# Altium PCB AIM2 REVB.PcbDoc (part 1 of 4) (continued)
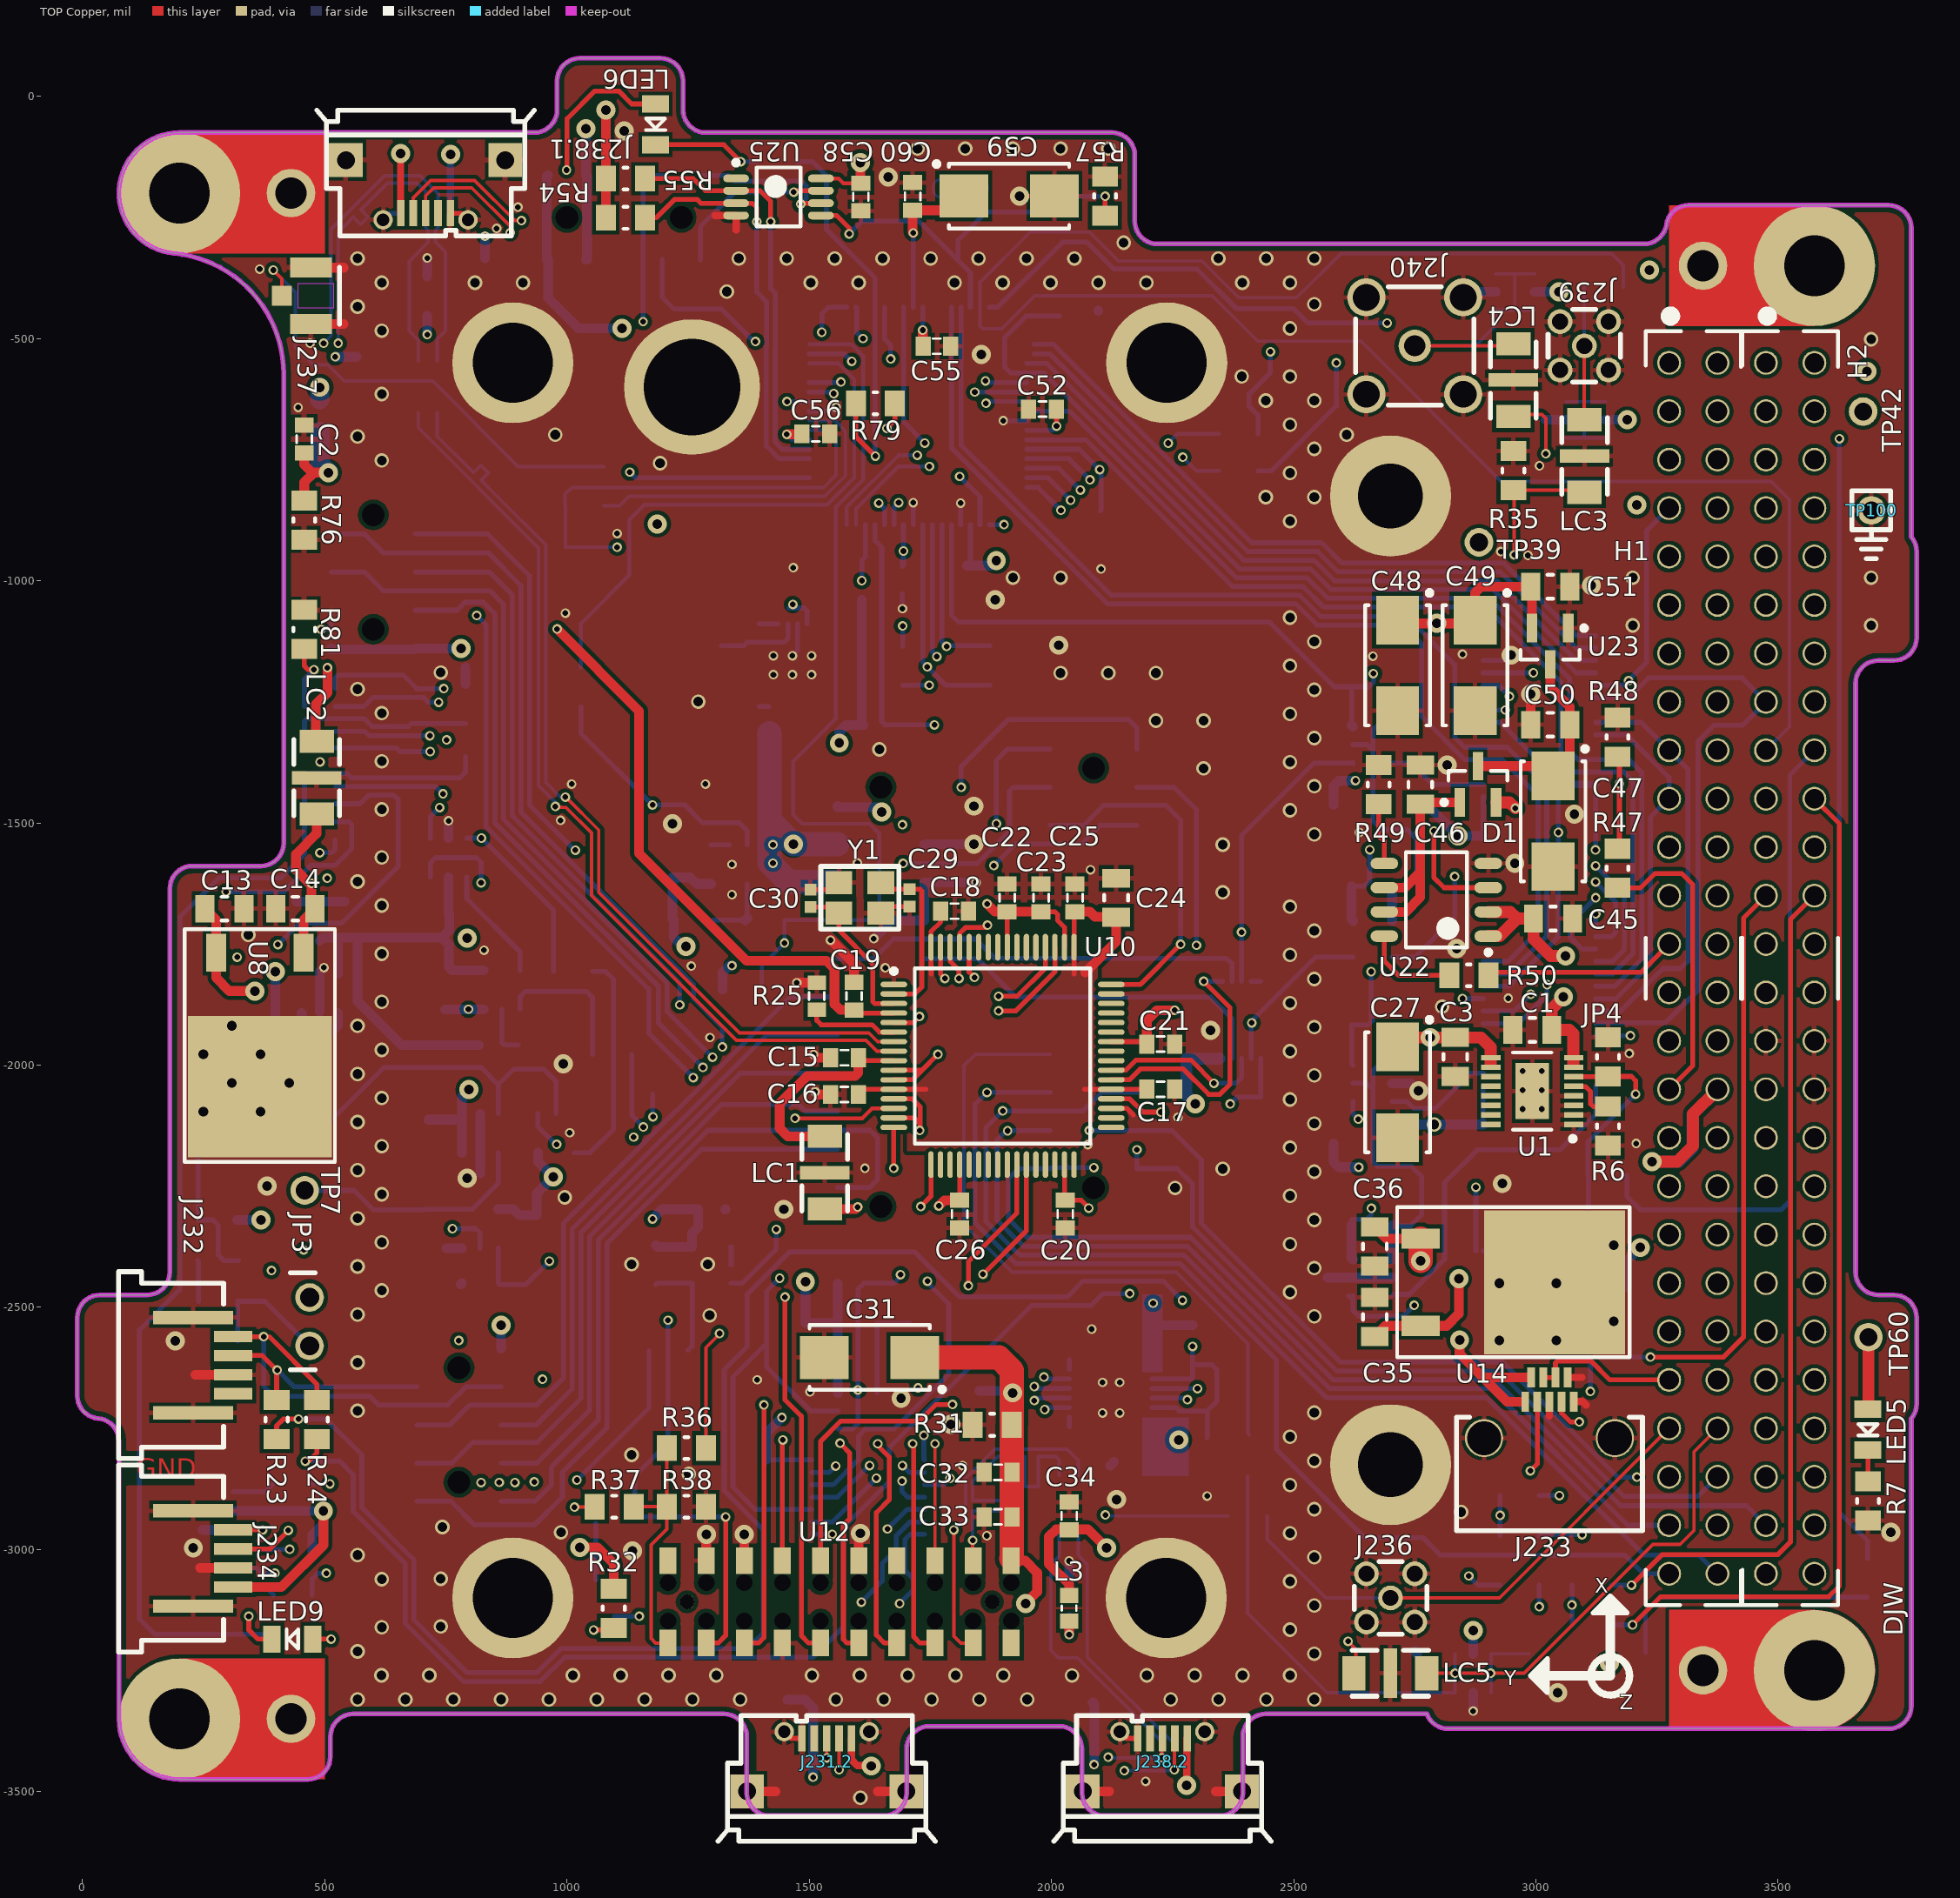
[diagram p0: TOP Copper view]
## Design rules (kind name [scope] priority, off if disabled: settings)
Clearance [InComponent('U12') vs InComponent('U12')] p1: gap=0
Clearance Polygon_Clearence [All vs OnLayer('Keep-Out Layer')] p2: gap=10
Clearance "U12 Clearance" [All] p3: gap=8
ComponentClearance "Bus Clearance" [InComponent('H1') vs InComponent('H2')] p1: gap=0 collisioncheckmode=3 verticalgap=0 showdistances=FALSE
ComponentClearance [All] p2: gap=1 collisioncheckmode=3 verticalgap=1 showdistances=FALSE
DiffPairsRouting [All] p1: maxlimit=8 minlimit=8 mostfreqgap=8 toplayer_minwidth=7 toplayer_maxwidth=7 toplayer_prefwidth=7 midlayer1_minwidth=6 midlayer1_maxwidth=6 midlayer1_prefwidth=6 midlayer2_minwidth=6 midlayer2_maxwidth=6 midlayer2_prefwidth=6 bottomlayer_minwidth=7 bottomlayer_maxwidth=7 bottomlayer_prefwidth=7 maxuncoupledlength=500
HoleSize [All] p1: absolutevalues=TRUE maxlimit=314.96 minlimit=1 maxpercent=80.000 minpercent=20.000
MatchedLengths [InDifferentialPair('ADCS_D')] p1: tolerance=10 checknetsindiffpair=TRUE checkdiffpairvsdiffpair=FALSE checkxsignals=FALSE checkothers=FALSE
MatchedLengths MatchedLengths_1 [InDifferentialPair('ADCS_USB_D')] p2: tolerance=10 checknetsindiffpair=TRUE checkdiffpairvsdiffpair=FALSE checkxsignals=FALSE checkothers=FALSE
MatchedLengths MatchedLengths_2 [InDifferentialPair('GPS_USB_D')] p3: tolerance=10 checknetsindiffpair=TRUE checkdiffpairvsdiffpair=FALSE checkxsignals=FALSE checkothers=FALSE
MatchedLengths MatchedLengths_3 [InDifferentialPair('GPS_D')] p4: tolerance=10 checknetsindiffpair=TRUE checkdiffpairvsdiffpair=FALSE checkxsignals=FALSE checkothers=FALSE
MatchedLengths "Schematic Matched Net Lengths" [InNetClass('Diff Pairs')] p5: tolerance=10 checknetsindiffpair=TRUE checkdiffpairvsdiffpair=FALSE checkxsignals=FALSE checkothers=FALSE
MaxMinImpedance "50 Ohm Impedance" [InNetClass('50 Ohm')] p1: minimum=45.00 maximum=55.00
MaxMinImpedance "USB Impedance" [InNetClass('Diff Pairs')] p2: minimum=85.00 maximum=95.00
MinimumSolderMaskSliver [All] p1: minsoldermaskwidth=2
PlaneClearance [All] p1: clearance=20
PlaneConnect "Plane Direct Connect" [(InPadClass('Power'))or isVia] p1: planeconnectstyle=Direct reliefexpansion=20 reliefentries=4 reliefconductorwidth=10 reliefairgap=10
PlaneConnect [All] p2: planeconnectstyle=Relief reliefexpansion=20 reliefentries=4 reliefconductorwidth=10 reliefairgap=10
PolygonConnect "Direct Connect" [(InPadClass('Power'))or isVia   or HasFootprint('Spark_Gap')] p1: connectstyle=Direct reliefconductorwidth=10 reliefentries=4 polygonreliefangle="90 Angle" airgapwidth=10
PolygonConnect [All] p2: connectstyle=Relief reliefconductorwidth=10 reliefentries=4 polygonreliefangle="90 Angle" airgapwidth=7.09
RoutingVias [All] p1: holewidth=7.87 width=19.68 viastyle="Through Hole" minholewidth=5 minwidth=15.75 maxholewidth=236.22 maxwidth=314.96
SilkToSilkClearance [All] p1: silktosilkclearance=0.1
SilkToSolderMaskClearance [IsPad] p1: minsilkscreentomaskgap=0.1 clearancetoexposedcopper=TRUE
SolderMaskExpansion [All] p1: expansion=0
Width USB [InNetClass('Diff Pairs')] p1: maxlimit=7 minlimit=6 preferedwidth=7 toplayer_minwidth=7 midlayer1_maxwidth=6 midlayer1_prefwidth=6 midlayer2_maxwidth=6 midlayer2_prefwidth=6 bottomlayer_minwidth=7 minimp=50.000000 maximp=50.000000 favimp=50.000000
Width "50 Ohm" [InNetClass('50 Ohm')] p2: maxlimit=7 minlimit=6 preferedwidth=7 toplayer_minwidth=7 midlayer1_maxwidth=6 midlayer1_prefwidth=6 midlayer2_maxwidth=6 midlayer2_prefwidth=6 bottomlayer_minwidth=7 minimp=50.000000 maximp=50.000000 favimp=50.000000
Width [All] p3: maxlimit=100 minlimit=8 preferedwidth=10 minimp=50.000000 maximp=50.000000 favimp=50.000000
22 further rules are at their usual default settings.

## Classes and differential pairs
net class "Diff Pairs": ADCS_D_N ADCS_D_P ADCS_USB_D_N ADCS_USB_D_P GPS_D_N GPS_D_P GPS_USB_D_N GPS_USB_D_P
net class "50 Ohm": CLK0 CLK0_OUT CLKOUT PPS PPS_1 PPS_2 PPS_ADCS PPS_CONN PPS_OUT SYNC VARF VARF_CONN VARF_OUT
component class "U_AIM2 - WDT": C61 C62 C64 C65 C66 C67 C68 C69 JP3 LED8 R64 R65 R66 R67 R68 R69 R70 R71 R72 R73 R74 R75 TP7 TP39 U27 U28 U29 U30 U31 U32
component class "U_AIM2 - SupMCU": C45 C46 C47 C48 C49 C50 C51 C52 C53 C54 C55 C56 C57 C58 C59 C60 D1 D2 J234 J235 J236 J237 LED7 R47 R48 R49 R50 R51 R52 R53 R54 R55 R56 R57 R58 R59 R60 R61 R62 R63 R83 R84 U22 U23 U24 U25 U26
component class "U_AIM2 - GPS": C31 C32 C33 C34 C35 C36 C37 C38 C39 C72 C73 J238.1 J238.2 J239 J240 L3 L4 LC3 LC4 LC5 LED9 Q2 R31 R32 R33 R34 R35 R36 R37 R38 R39 R40 R41 R42 R43 R44 R45 R46 TP42 U12 U13 U14 U15 U16 U17 U18
component class "U_AIM2 - GPS Multiplexing": C40 C41 C42 C43 C44 JP2 U19 U20 U21
component class "U_AIM2 - FTDI": C2 C13 C14 C15 C16 C17 C18 C19 C20 C21 C22 C23 C24 C25 C26 C28 C29 C30 C70 C71 J231.1 J231.2 L1 L2 LC1 LC2 LED6 R25 R26 R27 R28 R29 R30 R76 R82 U8 U9 U10 U11 Y1
component class "U_AIM2 - External Interfaces": H4 H5 H8 J232 J233 R23 R24
component class "U_AIM2 - Bus Interface": H1 H2 R17 R18 R19 R20 R21 R22 TP100
component class "U_AIM2 - ADCS": C1 C3 C4 C5 C6 C7 C27 H10 H11 JP4 LED5 Q1 R1 R2 R3 R5 R6 R7 R8 R9 R10 R11 R12 R13 R14 R15 R16 TP60 U1 U2 U3 U4
component class "U_AIM2 - ADCS Multiplexing": C8 C9 C10 C11 C12 JP1 U5 U6 U7
pad class Power: Free- Free-0 U8-2 U12-F U14-2
component class "U_AIM2 - UART LEDS": C63 LED0 LED1 LED2 LED3 R77 R78 R79 R80 R81 U33
differential pair GPS_USB_D: +GPS_USB_D_P -GPS_USB_D_N
differential pair GPS_D: +GPS_D_P -GPS_D_N
differential pair ADCS_USB_D: +ADCS_USB_D_P -ADCS_USB_D_N
differential pair ADCS_D: +ADCS_D_P -ADCS_D_N

## Components (designator, comment, footprint, x,y, rotation, side; value= is the part's Value field where it differs from the comment)
C1 "4.7uF" "0805 CAP" 2992.5,-1927 r0 top
C2 "100nF" "0603 CAP" 457.5,-707.62 r270 top
C3 "1uF" "0805 CAP" 2833.5,-1982.62 r90 top
C4 "4.7uF" "0805 CAP" 1465,-1013 r180 bottom
C5 "1uF" "0805 CAP" 1377.5,-1369.62 r0 bottom
C6 "100nF" "0603 CAP" 1217.5,-1585.62 r270 bottom
C7 "100nF" "0603 CAP" 2278.5,-1957.62 r270 bottom
C8 "100nF" "0603 CAP" 2619.5,-1601.62 r270 bottom
C9 "100nF" "0603 CAP" 2705.5,-1601.62 r270 bottom
C10 "100nF" "0603 CAP" 2619.5,-1190.27 r270 bottom
C11 "100nF" "0603 CAP" 2705.5,-1190.27 r270 bottom
C12 "100nF" "0603 CAP" 2918.5,-1526.62 r180 bottom
C13 "1uF" "0805 CAP" 293,-1677 r180 top
C14 "1uF" "0805 CAP" 439,-1677 r0 top
C15 "100nF" "0603 CAP" 1572.5,-1984.62 r0 top
C16 "100nF" "0603 CAP" 1572.5,-2060.62 r0 top
C17 "100nF" "0603 CAP" 2225.5,-2049.62 r180 top
C18 "100nF" "0603 CAP" 1800,-1682 r180 top
C19 "100nF" "0603 CAP" 1592.5,-1857.62 r270 top
C20 "100nF" "0603 CAP" 2028.5,-2307.62 r90 top
C21 "100nF" "0603 CAP" 2225.5,-1956.62 r180 top
C22 "100nF" "0603 CAP" 1908.5,-1654.62 r270 top
C23 "100nF" "0603 CAP" 1978.5,-1654.62 r270 top
C24 "4.7uF" "0805 CAP" 2133.5,-1654.62 r270 top
C25 "100nF" "0603 CAP" 2048.5,-1654.62 r270 top
C26 "100nF" "0603 CAP" 1810.5,-2307.62 r90 top
C27 "10uF" "6032 POLAR CAP" 2714.5,-2056.08 r270 top
C28 "100nF" "0603 CAP" 1530.08,-2606.62 r0 bottom
C29 "27pF" "0402 CAP" 1707,-1654.89 r90 top
C30 "27pF" "0402 CAP" 1502.5,-1655.51 r270 top
C31 "10uF" "6032 POLAR CAP" 1624.5,-2603.62 r180 top
C32 "100nF" "0603 CAP" 1889.5,-2840.62 r0 top
C33 "850pF" "0603 CAP" 1889.5,-2932.62 r0 top
C34 "100nF" "0603 CAP" 2036.5,-2930.62 r270 top
C35 "1uF" "0805 CAP" 2667.5,-2519.62 r270 top
C36 "1uF" "0805 CAP" 2667.5,-2374.62 r90 top
C37 "4.7uF" "0805 CAP" 2169.5,-2819.12 r0 bottom
C38 "4.7uF" "0805 CAP" 2169.5,-2536.52 r0 bottom
C39 "4.7uF" "0805 CAP" 1850.5,-2712.62 r90 bottom
C40 "100nF" "0603 CAP" 2619.5,-2289.62 r270 bottom
C41 "100nF" "0603 CAP" 2705.5,-2289.62 r270 bottom
C42 "100nF" "0603 CAP" 2619.5,-1888.62 r270 bottom
C43 "100nF" "0603 CAP" 2705.5,-1888.62 r270 bottom
C44 "100nF" "0603 CAP" 2919.5,-2122.62 r180 bottom
C45 "1uF" "0805 CAP" 3035.5,-1697.62 r180 top
C46 "1uF" "0805 CAP" 2761.5,-1420.62 r270 top
C47 "10uF" "6032 POLAR CAP" 3035.5,-1496.62 r270 top
C48 "10uF" "6032 POLAR CAP" 2714.5,-1174.62 r270 top
C49 "10uF" "6032 POLAR CAP" 2874.5,-1174.62 r270 top
C50 "1uF" "0805 CAP" 3029.5,-1297.22 r0 top
C51 "1uF" "0805 CAP" 3029.5,-1012.22 r180 top
C52 "100nF" "0603 CAP" 1981.5,-645.62 r0 top
C53 "100nF" "0603 CAP" 1835.5,-998.62 r90 bottom
C54 "100nF" "0603 CAP" 1692.5,-998.62 r90 bottom
C55 "100nF" "0603 CAP" 1763.5,-515.62 r180 top
C56 "100nF" "0603 CAP" 1513.5,-696.62 r180 top
C57 "100nF" "0603 CAP" 1298.5,-2297.62 r180 bottom
C58 "100nF" "0603 CAP" 1606.5,-207.62 r90 top
C59 "10uF" "6032 POLAR CAP" 1912.5,-205.62 r0 top
C60 "100nF" "0603 CAP" 1713.5,-206.62 r270 top
C61 "100nF" "0603 CAP" 937.5,-2337.62 r90 bottom
C62 "100nF" "0603 CAP" 702.5,-2141.62 r90 bottom
C63 "100nF" "0603 CAP" 1411.5,-2842.62 r90 bottom
C64 "10nF" "0805 CAP" 278.5,-2235.62 r180 bottom
C65 "100nF" "0603 CAP" 725.5,-1798.62 r0 bottom
C66 "100nF" "0603 CAP" 724.5,-1883.62 r0 bottom
C67 "1uF" "0805 CAP" 489.5,-2023.62 r270 bottom
C68 "2.2uF" "0805 CAP" 489.5,-1702.62 r270 bottom
C69 "100nF" "0603 CAP" 725.5,-1687.62 r0 bottom
C70 "100nF" "0603 CAP" 565.5,-508.62 r270 bottom
C71 "100nF" "0603 CAP" 1426.42,-3310 r0 bottom
C72 "100nF" "0603 CAP" 859.5,-334.62 r180 bottom
C73 "100nF" "0603 CAP" 2061,-3316 r0 bottom
D1 "BAT54C" SOT23-3 2880.5,-1420.02 r90 top
D2 "UDZS3.3B" TSOP190P250X90-2N 996.5,-973.62 r270 bottom
H1 "CurrentFootprint" ESQ-126-37-G-D 3325,-1800 r270 top locked
H2 "CurrentFootprint" ESQ-126-37-G-D 3525,-1800 r270 top locked
H4 "TMM-105-06-L-D-SM-A" TMM-105-06-G-D-SM 777,-2743 r270 bottom locked
H5 "TMM-105-06-L-D-SM-A" TMM-105-06-G-D-SM 600,-982 r90 bottom locked
H8 "TMM-105-06-L-D-SM-A" TMM-105-06-G-D-SM 1118,-250 r0 bottom locked
H10 "TW-13-06-L-D-390-SM-A" TW-13-06-X-D-390-SM-A 1648,-1740.89 r270 bottom locked
H11 "TW-13-06-L-D-390-SM-A" TW-13-06-X-D-390-SM-A 2087,-1701.89 r270 bottom locked
J231.1 "ZX62RD-AB-5P8" SM$5C$ZX62RD-AB-5P8 708,-268.56 r0 bottom
J231.2 "ZX62RD-AB-5P8" SM$5C$ZX62RD-AB-5P8 1536,-3362.44 r0 top
J232 "SFW4R-2STE1LF" SFW4R-2STE1LF 310.68,-2619.43 r270 top
J233 "A29100-009" A29100-009 3028,-2770 r0 top locked
J234 "SFW4R-2STE1LF" SFW4R-2STE1LF 310.68,-3018.57 r270 top
J235 "SFW6R-1STE1LF" SFW6R-1STE1LF 310.68,-2979.2 r270 top
J236 "MMCX" mmcx 2700,-3100 r180 top locked
J237 "UFL Connector" "UFL Connector" 471.5,-411.62 r270 top
J238.1 "ZX62RD-AB-5P8" SM$5C$ZX62RD-AB-5P8 708,-268.56 r180 top locked
J238.2 "ZX62RD-AB-5P8" SM$5C$ZX62RD-AB-5P8 2229,-3362.44 r0 top
J239 "MMCX" mmcx 3100,-515 r180 top
J240 "MCX" MCX 2750,-515 r180 top locked
JP1 "Jumper" "0805 RES 2 way jumper - 1" 2623.5,-1463.09 r0 bottom
JP2 "Jumper" "0805 RES 2 way jumper - 1" 2623.5,-2161.62 r0 bottom
JP3 "TSW-102-22-L-S-RA" TSW-102-22-L-S-RA 468.5,-2479.62 r270 top
JP4 "Jumper" "0805 RES 1 way jumper" 3149,-1983 r270 top
L1 "300ohm @ 100MHz" "0603 IND" 490.5,-665.62 r90 bottom
L2 "90ohm @100MHz" DFN250P320X200-4N 712.5,-599.62 r270 bottom
L3 "300ohm @ 100MHz" "0603 IND" 2036.5,-3121.2 r270 top
L4 "90ohm @100MHz" DFN250P320X200-4N 2035.5,-2899.62 r90 bottom
LC1 "ELK-E220FA" ELK 1532,-2222 r90 top
LC2 "ELK-E220FA" ELK 483.32,-1406.62 r90 top
LC3 "ELK-E220FA" ELK 3100.5,-742.49 r90 top
LC4 "ELK-E220FA" ELK 2953.5,-585.62 r90 top
LC5 "ELK-E220FA" ELK 2699.5,-3255.62 r0 top
LED0 "LED-RG" "LED SMT RG" 489.5,-1240.62 r0 bottom
LED1 "LED-RG" "LED SMT RG" 489.5,-1329.62 r0 bottom
LED2 "LED-RG" "LED SMT RG" 489.5,-1441.62 r0 bottom
LED3 "LED-RG" "LED SMT RG" 489.5,-1516.62 r0 bottom
LED5 "LED-G-0805" "0805 LED-GREEN" 3685.5,-2752.75 r90 top
LED6 "LED-G-0805" "0805 LED-GREEN" 1182.5,-57.62 r90 top
LED7 "LED-O-0805" "0805 LED-ORANGE" 3226.5,-3255.62 r90 bottom
LED8 "LED-R-0805" "0805 LED-RED" 279.5,-2403.62 r180 bottom
LED9 "LED-G-0805" "0805 LED-GREEN" 433,-3185 r0 top
Q1 "MMBT2222" SOT23-3 3070.91,-2343.22 r0 bottom
Q2 "MMBT2222" SOT23-3 1097.5,-3100.62 r270 bottom
R1 "100K" "0805 RES" 3148.5,-2458.62 r0 bottom
R2 "100K" "0805 RES" 1377.5,-1452.62 r0 bottom
R3 "4.7K" "0805 RES" 3147.5,-2227.62 r180 bottom
R5 "4.7K" "0805 RES" 2916.5,-2383.62 r0 bottom
R6 "200R" "0805 RES" 3149,-2126 r90 top
R7 "510R" "0805 RES" 3685.5,-2899.62 r90 top
R8 "100K" "0805 RES" 1465,-933 r180 bottom
R9 "200R" "0805 RES" 1319,-1174.57 r90 bottom
R10 "100K" "0805 RES" 2916.5,-2302.62 r180 bottom
R11 "100K" "0805 RES" 1260.5,-1700.62 r180 bottom
R12 "0R" "0805 RES" 1408.5,-1700.62 r0 bottom
R13 "100K" "0805 RES" 2431.5,-2106.62 r90 bottom
R14 "0R" "0805 RES" 2403.5,-2808.62 r90 bottom
R15 "100R" "0805 RES" 2986.5,-3255.62 r90 bottom
R16 "100R" "0805 RES" 2754.5,-3255.62 r270 bottom
R17 "0R" "0805 RES - DNP" 2966.5,-3073.62 r0 bottom
R18 "0R" "0805 RES - DNP" 3115.5,-3073.62 r180 bottom
R19 "0R" "0805 RES - DNP" 3148.86,-2602.62 r180 bottom
R20 "0R" "0805 RES - DNP" 2966.5,-2970.62 r180 bottom
R21 "0R" "0805 RES - DNP" 2966.5,-2888.62 r180 bottom
R22 "0R" "0805 RES - DNP" 3115.5,-3155.62 r180 bottom
R23 "0R" "0805 RES" 400.5,-2731.62 r270 top
R24 "0R" "0805 RES" 483.5,-2731.62 r90 top
R25 "12K" "0603 RES" 1515.5,-1857.62 r270 top
R26 "10K" "0805 RES" 1452.15,-2532.62 r0 bottom
R27 "10K" "0805 RES" 1599.5,-2450.62 r180 bottom
R28 "10K" "0805 RES" 1599.5,-2532.62 r0 bottom
R29 "2.2K" "0805 RES" 1747.5,-2532.62 r0 bottom
R30 "220R" "0805 RES" 1432.5,-134.62 r180 bottom
R31 "4.7K" "0805 RES" 1877.5,-2742.62 r0 top
R32 "220R" "0805 RES" 1096.5,-3121.2 r90 top
R33 "4.7K" "0805 RES" 1099.5,-2933.62 r180 bottom
R34 "0R" "0805 RES" 3140.5,-393.62 r0 bottom
R35 "100K" "0805 RES" 2953.5,-772.62 r270 top
R36 "0R" "0805 RES" 1246.5,-2790.62 r0 top
R37 "0R" "0805 RES" 1097.5,-2911.62 r180 top
R38 "100K" "0805 RES" 1246.5,-2911.62 r180 top
R39 "470K" "0805 RES" 1652.5,-1297.62 r180 bottom
R40 "470K" "0805 RES" 1652.5,-1215.62 r180 bottom
R41 "470K" "0805 RES" 1608.5,-998.62 r270 bottom
R42 "470K" "0805 RES" 1652.5,-1134.62 r180 bottom
R43 "200K" "0805 RES" 2291.5,-2577.62 r90 bottom
R44 "200K" "0805 RES" 2321.5,-2809.62 r90 bottom
R45 "680R" "0805 RES" 1912.96,-1134.22 r180 bottom
R46 "680R" "0805 RES" 1913.5,-1215.62 r180 bottom
R47 "0R" "0805 RES" 3168.5,-1593.62 r90 top
R48 "100K" "0805 RES" 3168.5,-1322.62 r270 top
R49 "6.04K" "0805 RES" 2675.5,-1420.62 r270 top
R50 "100R" "0805 RES" 2861.5,-1814.62 r180 top
R51 "130R" "0805 RES" 2404.5,-2930.62 r180 bottom
R52 "1K" "0805 RES - DNP" 995.96,-804.57 r270 bottom
R53 "1K" "0805 RES" 1075.5,-804.62 r270 bottom
R54 "1.5K" "0805 RES" 1120.5,-250.62 r180 top
R55 "1.5K" "0805 RES" 1120.5,-169.62 r180 top
R56 "220R" "0805 RES" 3684.5,-3058.62 r270 bottom
R57 "100K" "0805 RES" 2110.5,-205.62 r90 top
R58 "4.7K" "0805 RES" 433.5,-2864.62 r0 bottom
R59 "100K" "0805 RES" 2102.5,-895.62 r90 bottom
R60 "100K" "0805 RES" 2056.5,-453.62 r180 bottom
R61 "100K" "0805 RES" 1183.5,-2412.62 r90 bottom
R62 "0R" "0805 RES" 1209.5,-2588.62 r180 bottom
R63 "0R" "0805 RES" 1028.5,-1220.15 r270 bottom
R64 "100K" "0805 RES" 278.5,-2319.62 r180 bottom
R65 "220R" "0805 RES" 279.5,-2487.62 r0 bottom
R66 "10K" "0805 RES" 279.5,-2569.62 r0 bottom
R67 "10K" "0805 RES" 820.5,-2452.62 r0 bottom
R68 "150R" "0805 RES" 1136.5,-2059.62 r0 bottom
R69 "100K" "0805 RES" 704.5,-2338.62 r90 bottom
R70 "10K" "0805 RES" 858.5,-1958.62 r180 bottom
R71 "150R" "0805 RES" 1092.5,-1977.62 r0 bottom
R72 "100K" "0805 RES" 1012.5,-1896.62 r180 bottom
R73 "100K" "0805 RES" 433.5,-3004.62 r0 bottom
R74 "100K" "0805 RES" 1012.5,-1806.62 r180 bottom
R75 "4.7K" "0805 RES" 433.5,-3093.62 r180 bottom
R76 "1K" "0805 RES" 457.5,-874.62 r90 top
R77 "220R" "0805 RES" 433.5,-3174.62 r0 bottom
R78 "220R" "0805 RES" 790.5,-1403.62 r270 bottom
R79 "10K" "0805 RES" 1636.5,-633.62 r0 top
R80 "220R" "0805 RES" 790.5,-1253.98 r90 bottom
R81 "220R" "0805 RES" 457.5,-1100.62 r90 top
R82 "100K" "0805 RES" 1361.5,-1843.62 r180 bottom
R83 "0R" "0805 RES - DNP" 2386,-773 r0 bottom
R84 "0R" "0805 RES - DNP" 2386,-696.32 r0 bottom
TP7 "Testpoint" Testpoint 458.5,-2258.62 r270 top
TP39 "Testpoint" Testpoint 2882.5,-920.62 r270 top
TP42 "Testpoint" Testpoint 3675.5,-650.62 r270 top
TP60 "Testpoint" Testpoint 3686.5,-2561.62 r270 top
TP100 "GND Testpoint" "GND Testpoint" 3692.5,-854.62 r0 top
U1 "LTC4415EMSE#PBF" MSOP-16 2992.5,-2053.62 r180 top
U2 "LTC4415EMSE#PBF" MSOP-16 1465.84,-1174.57 r270 bottom
U3 "MAX4525LEUB+" MSOP-10 2392.5,-1906.62 r270 bottom
U4 "TPS3838K33" SOT23-5 1334.5,-1585.62 r270 bottom
U5 "ADG707BRUZ" 28-TSSOP 3007.5,-1279.62 r0 bottom
U6 "SN74LVC1T45DBVR" SOT23-6 2662.86,-1739.62 r180 bottom
U7 "SN74LVC1T45DBVR" SOT23-6 2662.5,-1339.27 r180 bottom
U8 "LP38690DTX-3.3" DPAK 365.84,-1984.54 r180 top
U9 "SRV05-4L-TP" SOT23-6 711.5,-412.62 r270 bottom
U10 "FT4232HL" TSQFP50P1200X1200X120_HS-65N 1898.98,-1981.03 r0 top
U11 "93LC56BT-I/OT" SOT23-6 1599.86,-2714.02 r180 bottom
U12 "OEM719" OEM719 1639.17,-3095.1 r180 top locked
U13 "SRV05-4L-TP" SOT23-6 2036.5,-3099.62 r270 bottom
U14 "LP38690DTX-3.3" DPAK 2978.54,-2448.16 r270 top
U15 "SRV05-4L-TP" SOT23-6 3103.5,-667.62 r0 bottom
U16 "SRV05-4L-TP" SOT23-6 2957.5,-403.62 r0 bottom
U17 "LTC4415EMSE#PBF" MSOP-16 2122.5,-2677.62 r180 bottom
U18 "SRV05-4L-TP" SOT23-6 2870.5,-3255.62 r90 bottom
U19 "ADG707BRUZ" 28-TSSOP 3007.5,-1875.62 r0 bottom
U20 "SN74LVC1T45DBVR" SOT23-6 2662.86,-2438.62 r180 bottom
U21 "SN74LVC1T45DBVR" SOT23-6 2662.86,-2037.62 r180 bottom
U22 "MAX890" SOIC127P600X175-8N 2794.5,-1658.62 r180 top
U23 "MCP1700T3302" SOT23-3 3029.5,-1135.22 r270 top
U24 "PIC24EP256MC206" TSQFP50P1200X1200X120_HS-65N 1724.5,-659.62 r180 bottom
U25 "PCA9515DP" TSOP65P490X110-8N 1436.5,-207.62 r0 top
U26 "TPS3838K33" SOT23-5 1298.5,-2412.62 r180 bottom
U27 "SN74LVC1G32DBVR" SOT23-5 977.5,-2140.62 r270 bottom
U28 "TPS3813" SOT23-6 820.5,-2140.62 r90 bottom
U29 "SN74LVC1G08DBVR" SOT23-5 820.5,-2337.62 r90 bottom
U30 "TPS70933DBVR" SOT23-5 489.5,-1851.62 r90 bottom
U31 "SN74LVC1T45DBVR" SOT23-6 865.5,-1844.62 r270 bottom
U32 "PIC10LF322T-E/OT" SOT23-6 755.5,-1571.62 r270 bottom
U33 "MC74HCT595ADTR2G" TSOP-16 1621.86,-2904.62 r180 bottom
Y1 "FQ1200007" "FQ Crystal" 1604.5,-1654.62 r180 top
